# Altium PCB REB215_XPRO_Extension.PcbDoc (part 1 of 5) (continued)
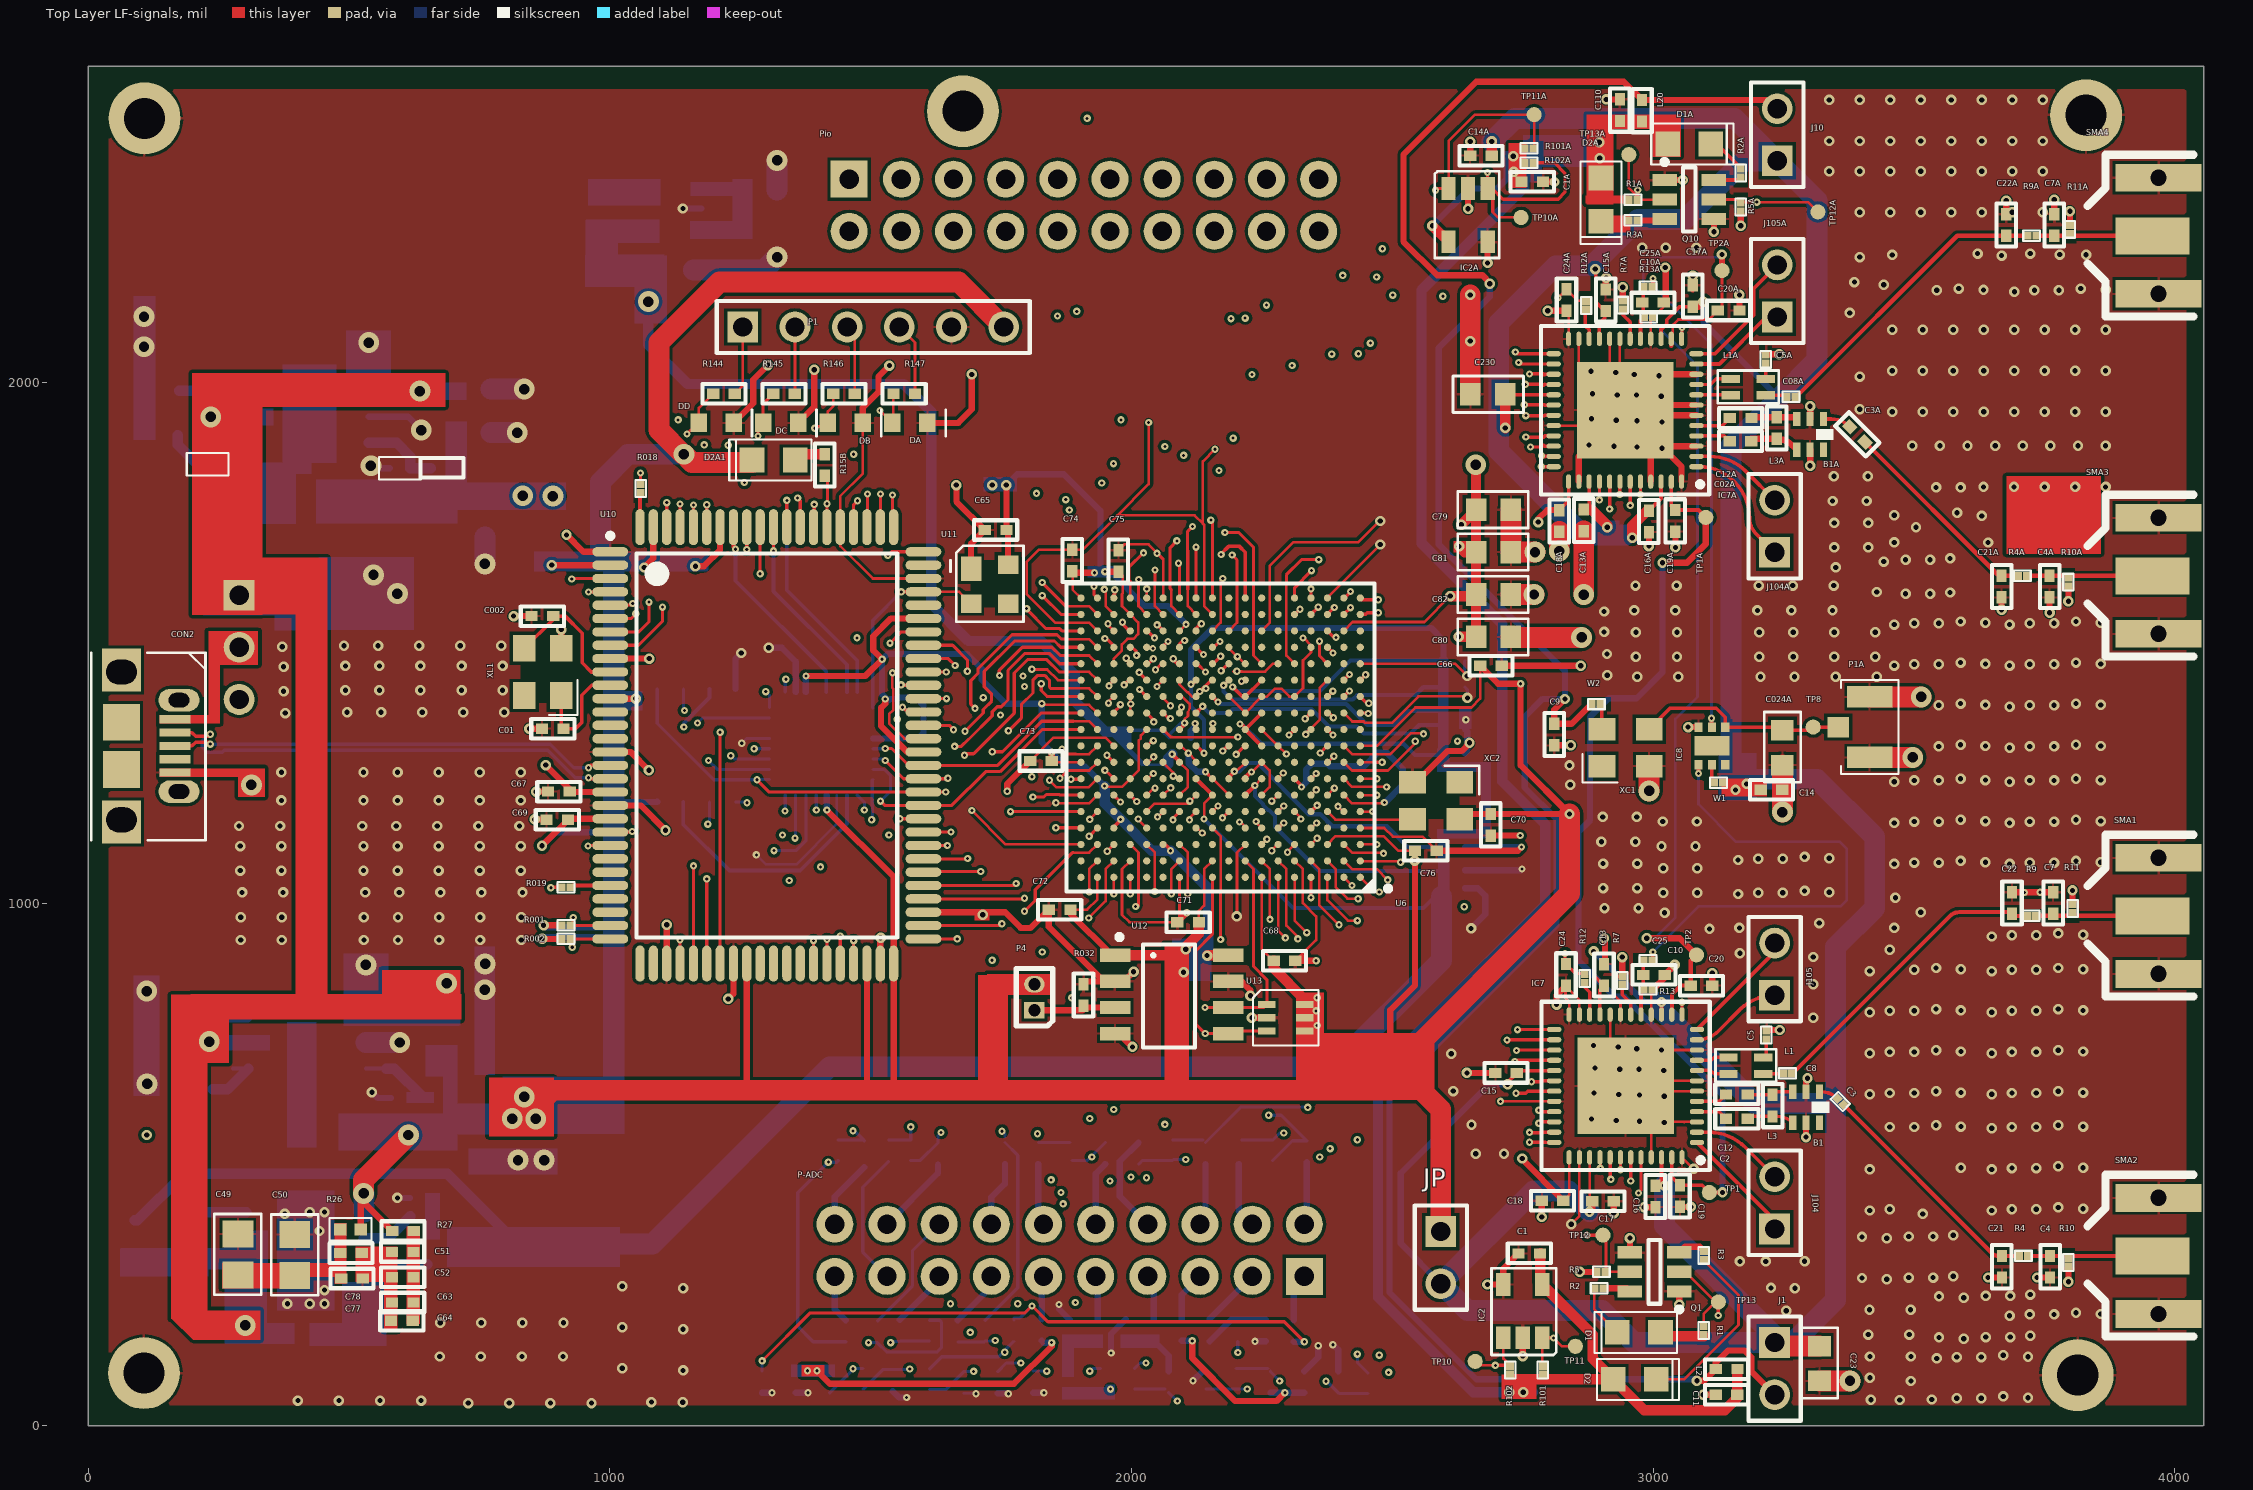
[diagram p0: Top Layer LF-signals view]
## Components (designator, comment, footprint, x,y, rotation, side; value= is the part's Value field where it differs from the comment) (continued)
C64 "Recommended by Escatec. No datasheet available yet." 0402#1 622,201 r270 top
C65 "Recommended by Escatec. No datasheet available yet." 0402#1 1760.34,1716.79 r270 top
C66 "Recommended by Escatec. No datasheet available yet." 0402#1 2668.5,1456.5 r90 top
C67 "Recommended by Escatec. No datasheet available yet." 0402#1 923,1215.4 r270 top
C68 "Recommended by Escatec. No datasheet available yet." 0402#1 2272.66,891 r90 top
C69 "Recommended by Escatec. No datasheet available yet." 0402#1 920,1161.63 r270 top
C70 "Recommended by Escatec. No datasheet available yet." 0402#1 2689,1172.34 r0 top
C71 "Recommended by Escatec. No datasheet available yet." 0402#1 2129.34,965 r270 top
C72 "Recommended by Escatec. No datasheet available yet." 0402#1 1883,989 r270 top
C73 "Recommended by Escatec. No datasheet available yet." 0402#1 1847.34,1274 r270 top
C74 "Recommended by Escatec. No datasheet available yet." 0402#1 1886.73,1637.66 r180 top
C75 "Recommended by Escatec. No datasheet available yet." 0402#1 1975,1636.66 r180 top
C76 "Recommended by Escatec. No datasheet available yet." 0402#1 2543.66,1102.09 r90 top
C77 "Recommended by Escatec. No datasheet available yet." 0402#1 484.88,281.99 r90 top
C78 "Recommended by Escatec. No datasheet available yet." 0402#1 483.33,330.73 r90 top
C79 "Recommended by Escatec. No datasheet available yet." "0603 - cap" 2694,1755.63 r0 top
C80 "Recommended by Escatec. No datasheet available yet." "0603 - cap" 2694,1512 r0 top
C81 "Recommended by Escatec. No datasheet available yet." "0603 - cap" 2694,1674.42 r0 top
C82 "Recommended by Escatec. No datasheet available yet." "0603 - cap" 2694,1593.21 r0 top
C85 "CAP-NONPOL" 0402-res#1 1612.64,88.6 r270 bottom
C86 "CAP-NONPOL" 0402-res#1 2453,81 r270 bottom
C87 "CAP-NONPOL" 0402-res#1 2200.49,89.6 r270 bottom
C88 "CAP-NONPOL" 0402-res#1 2005.53,89.6 r90 bottom
C89 "CAP-NONPOL" 0402-res#1 1940.55,89.6 r90 bottom
C90 "CAP-NONPOL" 0402-res#1 1485.65,89.6 r270 bottom
C91 "" 0402-res#1 2270.95,527.84 r90 bottom
C92 "" 0402-res#1 2078.75,527.84 r270 bottom
C93 "" 0402-res#1 1886.55,527.84 r90 bottom
C94 "" 0402-res#1 1719.84,182.12 r90 bottom
C95 "" 0402-res#1 1612.51,182.12 r90 bottom
C96 "" 0402-res#1 1577,528 r270 bottom
C97 "" 0402-res#1 1438.1,527.84 r90 bottom
C110 "CAP-NONPOL" 0402#1 2936.35,2542.28 r0 top
C230 "CAP-NONPOL" "0603 - cap" 2683,1977 r180 top
CON2 "MICROUSB" MICRO-USB-B-RECEPTABLE 119,1303 r270 top locked
D1 "LED_12" "0805 diode" 2972.77,178.67 r0 top locked
D001 "D Schottky" "0805 diode" 423.21,1548.61 r180 bottom locked
D1A "LED_12" "0805 diode" 3069.32,2456.67 r180 top locked
D2 "LED_12" "0805 diode" 2964.96,88.63 r180 top locked
D2A "LED_12" "0805 diode" 2900.03,2350.37 r90 top locked
D2A1 "LED0" "0805 diode" 1314,1851 r0 top
DA "D Schottky" "0603 LED"#2 1608.69,1922.18 r180 top
DB "D Schottky" "0603 LED"#2 1484.99,1922.18 r180 top
DC "D Schottky" "0603 LED"#2 1361.3,1922.18 r180 top
DD "D Schottky" "0603 LED"#2 1237.6,1922.18 r180 top
IC2 "AT24MAC602" SOT23-5 2750.13,219.28 r0 top locked
IC2A "AT24MAC602" SOT23-5 2645.26,2320.34 r180 top locked
IC7 "48 lead QFN package" "48 pin QFN, 7x7 mm" 2947.24,651.01 r180 top locked
IC7A "48 lead QFN package" "48 pin QFN, 7x7 mm" 2946.24,1946.47 r180 top locked
IC8 "PL133-27" uDFN-6 3112.63,1303 r180 top locked
J1 "HEADER 1x2" HDR1X2 3233,159.3 r270 top locked
J10 "HEADER 1x2" HDR1X2 3238,2424.5 r90 top locked
J104 "HEADER 1x2" HDR1X2 3233,377 r90 top locked
J104A "HEADER 1x2" HDR1X2 3233,1674 r90 top locked
J105 "HEADER 1x2" HDR1X2 3233,825 r90 top locked
J105A "HEADER 1x2" HDR1X2 3238,2125 r90 top locked
JP "HEADER 1x2" HDR1X2 2593,372 r270 top
JP1 "Header 3" HDR1X3 289.35,1591.92 r270 bottom locked
L1 "Common Mode Choke 0805" "DR127 Series Inductor" 3178,690 r180 top locked
L1A "Common Mode Choke 0805" "DR127 Series Inductor" 3182.48,1990.78 r180 top locked
L2 "Inductor_Iron" 0402#1 3120.29,108.32 r90 top
L3 "ceramic chip inductor, 5.6nH, 0201" 0402#1 3229,634 r0 top
L3A "ceramic chip inductor, 5.6nH, 0201" 0402#1 3237,1933 r0 top
L4 "" 1210-RES 461,570 r0 bottom locked
L5 "" 1210-RES 417,1770.4 r0 bottom locked
L7 "" "0805 - CAP" 89,354 r270 bottom locked
L8 "" "0805 - CAP" 982.95,2325.29 r90 bottom locked
L20 "Inductor_Iron" 0402#1 2978.67,2541.3 r0 top
P1 "HDR14" HDR1X6 1255,2106 r0 top
P1A "Copy of A08-0629" AP8-00380 3415.16,1338.94 r270 top locked
P4 "2PHDR" "PIN HEADER 1X2 PIN IN PASTE" 1814,796 r90 top
P-ADC "Header 10X2H" "2x5 Receptacle THM" 1881.41,336 r0 top locked
Pio "GPIO Header" "2x5 Receptacle THM" 1908.95,2339.4 r180 top locked
Q1 "Same as 2N7002 but with two MOSFETs in one package" "SOT23-6 - duplicate" 3002.73,294.59 r180 top locked
Q10 "Same as 2N7002 but with two MOSFETs in one package" "SOT23-6 - duplicate" 3069.32,2350.37 r0 top locked
R1 "R2" 0201 3097,182 r270 top locked
R001 "R2" 0201 916,959 r180 top locked
R1A "R2" 0201 2961.25,2349.72 r180 top locked
R2 "R2" 0201 2896.43,263.1 r180 top locked
R002 "R2" 0201 916,933 r180 top locked
R2A "R2" 0201 3168,2401.35 r90 top locked
R3 "R2" 0201 3097.22,326.09 r270 top locked
R3A "R2" 0201 2961.25,2310.35 r180 top locked
R4 "Copy of A02-0534" 0201 3710,325.17 r0 top locked
R4A "Copy of A02-0534" 0201 3708,1629 r0 top locked
R5 "R2" 0201 2900.37,294.59 r180 top locked
R5A "R2" 0201 3168,2335.97 r270 top locked
R7 "R2" 0201 2941,853.72 r90 top locked
R7A "R2" 0201 2942,2148 r90 top
R9 "Copy of A02-0534" 0201 3725,977.06 r0 top locked
R9A "Copy of A02-0534" 0201 3726,2281 r0 top locked
R10 "Copy of A02-0535" 0201 3796.17,313 r90 top locked
R10A "Copy of A02-0535" 0201 3796.17,1617 r90 top locked
R11 "Copy of A02-0535" 0201 3804,991 r270 top locked
R11A "Copy of A02-0535" 0201 3799,2293 r270 top locked
R12 "R2" 0201 2869,857 r270 top locked
R12A "R2" 0201 2871.44,2146.83 r270 top locked
R13 "Copy of A02-0535" 0201 2990.16,836 r180 top
R13A "Copy of A02-0535" 0201 2991.35,2125 r180 top
R14 "" 0402#1 197.01,645 r270 bottom
R015 "" 0402#1 651,628.01 r270 bottom
R15B "Res1" 0402#1 1412.25,1862 r0 top
R16 "" 0402#1 580.01,628.01 r270 bottom
R17 "" 0402-res#2 229,1843 r180 bottom locked
R018 "R2" 0201 1059,1796.65 r90 top
R18 "" 0402#1 657.8,1836.5 r270 bottom
R019 "R2" 0201 916,1031.91 r180 top locked
R19 "" 0402-res#2 597.8,1835.41 r180 bottom locked
R23 "" 0402#1 658.83,401 r90 bottom
R24 "" 0402#1 701,368 r90 bottom
R25 "" 0402#1 658.34,436.39 r90 bottom
R26 "" 0402-res#1 503,376 r180 top
R27 "" 0402#1 582.66,373 r90 top
R032 "R2" 0402#1 1908,805 r180 top
R40 "Res1" 0402#1 1774.48,161.45 r0 bottom
R41 "Res1" 0402#1 2203.77,161.45 r0 bottom
R42 "Res1" 0402#2 2266.46,104.36 r0 bottom
R43 "Res1" 0402#2 2071.5,63.03 r180 bottom
R44 "Res1" 0402#2 1876.55,63.03 r180 bottom
R45 "Res1" 0402#2 1421.65,63.03 r180 bottom
R46 "Res1" 0402#1 1678.61,103.36 r180 bottom
R47 "Res1" 0402#2 2396.43,63.03 r180 bottom
R48 "Res1" 0402#2 2136.49,63.03 r180 bottom
R49 "Res1" 0402#2 1743.59,103.36 r0 bottom
R50 "Res1" 0402#2 1811.56,104.36 r0 bottom
R51 "Res1" 0402#2 1542.43,107.34 r0 bottom
R53 "Res1" 0402#2 1356.67,63.03 r180 bottom
R54 "Res1" 0402#2 1881.8,202.79 r0 bottom
R55 "Res1" 0402#2 1989.13,203.77 r0 bottom
R56 "Res1" 0402#2 2331.44,104.36 r0 bottom
R57 "Res1" 0402#2 2257.44,161.45 r180 bottom
R58 "Res1" 0402#2 1291.68,63.03 r180 bottom
R60 "Res1" 0402#1 1828.14,162.43 r0 bottom
R61 "Res1" 0402#1 1935.47,162.43 r0 bottom
R62 "Res1" 0402#1 2042.79,162.43 r0 bottom
R63 "Res1" 0402#1 2096.45,162.43 r0 bottom
R64 "Res1" 0402#1 2150.11,161.45 r0 bottom
R65 "Res1" 0402#1 2311.1,160.47 r0 bottom
R66 "" 0402#2 2336,504.66 r180 bottom
R67 "" 0402#2 2205.9,501.27 r180 bottom
R68 "" 0402#2 2141.83,501.27 r180 bottom
R69 "" 0402#2 2013.7,542.61 r0 bottom
R70 "" 0402#2 1949.64,501.27 r180 bottom
R71 "" 0402#2 1821.5,501.27 r180 bottom
R72 "Res1" 0402#2 1667.16,201.81 r0 bottom
R73 "Res1" 0402#2 1757.44,501.27 r180 bottom
R74 "Res1" 0402#2 1556,202.79 r0 bottom
R75 "Res1" 0402#2 1513,200.34 r0 bottom
R76 "Res1" 0402#2 1534,506 r180 bottom
R77 "Res1" 0402#2 1629,500.66 r180 bottom
R78 "Res1" 0402#2 1452.51,201.81 r0 bottom
R79 "Res1" 0402#2 1488,504.66 r180 bottom
R101 "R2" 0201 2788.7,106.02 r270 top locked
R101A "R2" 0201 2761.83,2448.37 r180 top locked
R102 "R2" 0201 2726,106.02 r270 top locked
R102A "R2" 0201 2761.83,2420.7 r180 top locked
R144 "" 0402#1 1198,1978 r90 top
R145 "" 0402#1 1313.22,1978 r90 top
R146 "" 0402#1 1428.44,1978 r90 top
R147 "" 0402#1 1543.66,1978 r90 top
SMA1 "Board Edge Mounting" SMA 3957,977.06 r180 top locked
SMA2 "Board Edge Mounting" SMA 3957,325.17 r180 top locked
SMA3 "Board Edge Mounting" SMA 3957,1628.95 r180 top locked
SMA4 "Board Edge Mounting" SMA 3957,2280.84 r180 top locked
TP1 "TESTPOINT" "Testpad 29 mil" 3107.66,446.94 r90 top locked
TP1A "TESTPOINT" "Testpad 29 mil" 3101,1741 r0 top locked
TP2 "TESTPOINT" "Testpad 29 mil" 3083.07,902.4 r90 top locked
TP2A "TESTPOINT" "Testpad 29 mil" 3132,2214 r90 top locked
TP8 "Mounting hole dia should be 1.6mm. Refer A08-2059" "Testpad 29 mil" 3306.9,1338.94 r0 top locked
TP9 "Mounting hole dia should be 1.6mm. Refer A08-2059" "Testpad 29 mil" 549.2,1548.61 r90 bottom locked
TP10 "TESTPOINT" "Testpad 29 mil" 2659,123 r270 top
TP10A "TESTPOINT" "Testpad 29 mil" 2747,2316 r180 top
TP11 "TESTPOINT" "Testpad 29 mil" 2851,152 r270 top
TP11A "TESTPOINT" "Testpad 29 mil" 2772,2513 r180 top
TP12 "TESTPOINT" "Testpad 29 mil" 2904,365 r90 top locked
TP12A "TESTPOINT" "Testpad 29 mil" 3315.8,2326.62 r90 top locked
TP13 "TESTPOINT" "Testpad 29 mil" 3125,237 r90 top locked
TP13A "TESTPOINT" "Testpad 29 mil" 2953.37,2436.33 r90 top locked
U1 "AOZ1050PI" "so8exposed pad" 419.54,759.4 r270 bottom locked
U3 "AOZ1050PI" "so8exposed pad" 425.06,1958.78 r270 bottom locked
U5 "REG" "so8exposed pad" 415.67,334.18 r90 bottom locked
U06 "IC REG" SOT23-5 1124.68,2333.16 r270 bottom locked
U6 "XC7A35T-2CSG324I" CSG324 2170.92,1318.77 r180 top locked
U8 "CPLD" QFN32_5X5MM_EP3P3MM 1405.35,1307.31 r270 bottom locked
U9 "FLASH" SO8 1091,1412 r270 bottom locked
U10 "CY7C68014A-100AXC" 100qfp 1301,1304 r0 top locked
U11 "STM811" SOT143 1728,1613 r270 top
U12 "128K I 2 C ™ CMOS Serial EEPROM" SO8 1968.83,901.45 r0 top locked
U13 "24AA025E48" sot23-6 2295.95,781.77 r0 top locked
W1 "Jumper" 0201 3125.46,1232.64 r0 top locked
W2 "Jumper" 0201 2890.79,1383.17 r180 top locked
XC1 "TXETCCSANF-26.0000" CRYS 2947.15,1299.57 r0 top
XC2 "TXETCCSANF-26.0000" CRYS 2584,1198 r180 top
XL1 "" CRYS 871.44,1444.71 r90 top locked

## Footprints (in the part's own frame and the unit in brackets; to place one, negate y for a bottom-side part, rotate by r counter-clockwise, add the part's x,y. Pads: shape width x height; smd on the part's side, far side on the other; paste and mask are expansions set on the pad)
"2x5 Receptacle THM" [mm] "2x5 Receptacle THM, Right Angle. No Guide. 2.54mm pitch. Length 13.2mm, width 5.0mm, height 5mm"
  rect 1.8x1.8 hole 0.94: 1(11.43,-1.27)
  round 1.8 hole 0.94: 2(11.43,1.27) 3(8.89,-1.27) 4(8.89,1.27) 5(6.35,-1.27) 6(6.35,1.27) 7(3.81,-1.27) 8(3.81,1.27) 9(1.27,-1.27) 10(1.27,1.27) 11(-1.27,-1.27) 12(-1.27,1.27) 13(-3.81,-1.27) 14(-3.81,1.27) 15(-6.35,-1.27) 16(-6.35,1.27) 17(-8.89,-1.27) 18(-8.89,1.27) 19(-11.43,-1.27) 20(-11.43,1.27)
  rect 2.1x2.1 on Top Paste: 19(-11.43,-1.27) 19(-11.43,1.27) 19(-8.89,-1.27) 19(-8.89,1.27) 19(-6.35,-1.27) 19(-6.35,1.27) 19(-3.81,-1.27) 19(-3.81,1.27) 19(-1.27,-1.27) 19(-1.27,1.27) 19(1.27,-1.27) 19(1.27,1.27) 19(3.81,-1.27) 19(3.81,1.27) 19(6.35,-1.27) 19(6.35,1.27) 19(8.89,-1.27) 19(8.89,1.27) 19(11.43,-1.27) 19(11.43,1.27)
"48 pin QFN, 7x7 mm" [mm] "48 pin QFN, 7x7 mm"
  oval 0.7x0.25 smd: 1(-3.475,2.75) 2(-3.475,2.25) 3(-3.475,1.75) 4(-3.475,1.25) 5(-3.475,0.75) 6(-3.475,0.25) 7(-3.475,-0.25) 8(-3.475,-0.75) 9(-3.475,-1.25) 10(-3.475,-1.75) 11(-3.475,-2.25) 12(-3.475,-2.75) 25(3.475,-2.75) 26(3.475,-2.25) 27(3.475,-1.75) 28(3.475,-1.25) 29(3.475,-0.75) 30(3.475,-0.25) 31(3.475,0.25) 32(3.475,0.75) 33(3.475,1.25) 34(3.475,1.75) 35(3.475,2.25) 36(3.475,2.75)
  rect 4.7x1.4 on Top Solder: 4.8(0,-1) 14(0,1)
  rrect50% 1.65x1.65 on Top Paste: 10(-1,1) 11(-1,-1) 12(1.025,-0.975) 13(1,1)
  oval 0.25x0.7 smd: 13(-2.75,-3.475) 14(-2.25,-3.475) 15(-1.75,-3.475) 16(-1.25,-3.475) 17(-0.75,-3.475) 18(-0.25,-3.475) 19(0.25,-3.475) 20(0.75,-3.475) 21(1.25,-3.475) 22(1.75,-3.475) 23(2.25,-3.475) 24(2.75,-3.475) 37(2.75,3.475) 38(2.25,3.475) 39(1.75,3.475) 40(1.25,3.475) 41(0.75,3.475) 42(0.25,3.475) 43(-0.25,3.475) 44(-0.75,3.475) 45(-1.25,3.475) 46(-1.75,3.475) 47(-2.25,3.475) 48(-2.75,3.475)
  rect 1.4x4.7 on Top Solder: 16(-1,0) 17(1,0)
  rect 4.7x4.7 smd paste-5.2 mask-5.2: 49(0,0)
  silkscreen extent -4.1,-4.1 4.1,4.1, body extent -3.5,-3.5 3.5,3.5, height 0.91
100qfp [mm] "100-Pin Thin Plastic Quad Flat Pack Rectangular 0.65 mm Pitch, IPC Medium Density"
  oval 1.75x0.45 smd: 1(-7.625,9.425) 2(-7.625,8.775) 3(-7.625,8.125) 4(-7.625,7.475) 5(-7.625,6.825) 6(-7.625,6.175) 7(-7.625,5.525) 8(-7.625,4.875) 9(-7.625,4.225) 10(-7.625,3.575) 11(-7.625,2.925) 12(-7.625,2.275) 13(-7.625,1.625) 14(-7.625,0.975) 15(-7.625,0.325) 16(-7.625,-0.325) 17(-7.625,-0.975) 18(-7.625,-1.625) 19(-7.625,-2.275) 20(-7.625,-2.925) 21(-7.625,-3.575) 22(-7.625,-4.225) 23(-7.625,-4.875) 24(-7.625,-5.525) 25(-7.625,-6.175) 26(-7.625,-6.825) 27(-7.625,-7.475) 28(-7.625,-8.125) 29(-7.625,-8.775) 30(-7.625,-9.425) 51(7.625,-9.425) 52(7.625,-8.775) 53(7.625,-8.125) 54(7.625,-7.475) 55(7.625,-6.825) 56(7.625,-6.175) 57(7.625,-5.525) 58(7.625,-4.875) 59(7.625,-4.225) 60(7.625,-3.575) 61(7.625,-2.925) 62(7.625,-2.275) 63(7.625,-1.625) 64(7.625,-0.975) 65(7.625,-0.325) 66(7.625,0.325) 67(7.625,0.975) 68(7.625,1.625) 69(7.625,2.275) 70(7.625,2.925) 71(7.625,3.575) 72(7.625,4.225) 73(7.625,4.875) 74(7.625,5.525) 75(7.625,6.175) 76(7.625,6.825) 77(7.625,7.475) 78(7.625,8.125) 79(7.625,8.775) 80(7.625,9.425)
  oval 0.45x1.75 smd: 31(-6.175,-10.625) 32(-5.525,-10.625) 33(-4.875,-10.625) 34(-4.225,-10.625) 35(-3.575,-10.625) 36(-2.925,-10.625) 37(-2.275,-10.625) 38(-1.625,-10.625) 39(-0.975,-10.625) 40(-0.325,-10.625) 41(0.325,-10.625) 42(0.975,-10.625) 43(1.625,-10.625) 44(2.275,-10.625) 45(2.925,-10.625) 46(3.575,-10.625) 47(4.225,-10.625) 48(4.875,-10.625) 49(5.525,-10.625) 50(6.175,-10.625) 81(6.175,10.625) 82(5.525,10.625) 83(4.875,10.625) 84(4.225,10.625) 85(3.575,10.625) 86(2.925,10.625) 87(2.275,10.625) 88(1.625,10.625) 89(0.975,10.625) 90(0.325,10.625) 91(-0.325,10.625) 92(-0.975,10.625) 93(-1.625,10.625) 94(-2.275,10.625) 95(-2.925,10.625) 96(-3.575,10.625) 97(-4.225,10.625) 98(-4.875,10.625) 99(-5.525,10.625) 100(-6.175,10.625)
  silkscreen extent -7.75,-9.35 6.35,10.32, body extent -7,-10 7,10, height 1.6
0201 [mil] "0201_SMD"
  rect 17x15.09 smd paste+0 mask+2.49: 1(-9.35,0) 2(9.35,0)
  silkscreen extent -16,-10 16,10, body extent -12,-6 12,6, height 12
0402#1 [mm] "Generic pad 0402, spacing 0.45mm"
  rect 0.5x0.6 smd: 1(0,0) 2(0,-1.05)
  silkscreen extent -0.48,-1.58 0.48,0.53, body extent -0.3,-1.02 0.3,-0.03, height 0.2
0402#2 [mm] "Generic pad 0402, spacing 0.45mm"
  rect 0.5x0.6 smd: 1(0,0) 2(0,1.05)
  silkscreen extent -0.48,-0.53 0.48,1.58, body extent -0.3,0.02 0.3,1.02
0402-res#1 [mm] "Standard 0402 SMD capacitor footprint"
  rect 0.6x0.6 smd: 1(-0.5,0) 2(0.5,0)
  silkscreen extent -1.02,-0.55 1.02,0.55, body extent -0.5,-0.3 0.5,0.3
0402-res#2 [mm] "Standard 0402 SMD capacitor footprint"
  rect 0.6x0.6 smd: 1(0.5,0) 2(-0.5,0)
  body extent -0.5,-0.3 0.5,0.3, height 0.2
"0603 - cap" [mm] "CAPC0603M"
  rect 1x1.1 smd mask+0.051: 1(-0.85,0) 2(0.85,0)
  silkscreen extent -1.74,-0.89 1.69,0.89, body extent -0.8,-0.4 0.8,0.4, height 0.3
"0603 LED"#1 [mm] "0603"
  rect 1x1.1 smd mask+0.051: 1(0,0) 2(1.7,0)
  silkscreen extent -0.89,-0.63 -0.89,0.66, body extent 0.02,-0.39 1.62,0.39, height 0.7
"0603 LED"#2 [mm] "0603"
  rect 0.8x0.9 smd mask+0.051: 1(0,0) 2(1.7,0)
  silkscreen extent -0.89,-0.64 -0.89,0.66, body extent 0.02,-0.39 1.62,0.39, height 0.7
"0805 6pin Balun, narrow variant" [mm] "0805 6pin Balun, narrow variant"
  rect 0.7x0.35 smd: 1(-0.75,0.65) 2(-0.75,0) 3(-0.75,-0.65) 4(0.75,-0.65) 5(0.75,0) 6(0.75,0.65)
  silkscreen extent -0.27,0.28 0.28,1.15, body extent -0.65,-0.95 0.6,1, height 0.85
"0805 - CAP" [mm] "CAPC2012N"
  rect 1.3x1.5 smd: 1(1,0) 2(-1,0)
  silkscreen extent -1.97,-1.14 1.97,1.14, body extent -1,-0.62 1,0.63, height 0.78
"0805 diode" [mm] "0805 diode footprint"
  rect 1.2x1.2 smd: 1(-1.05,0) 2(1.05,0)
  silkscreen extent -2.16,-1 1.85,1, body extent -1,-0.63 1,0.63, height 1.1
1206-res [mm] "Chip Capacitor, Body 3.2x1.6mm, IPC High Density"
  rect 1.6x1.8 smd: 1(-1.4,0) 2(1.4,0)
  silkscreen extent -0.38,-0.89 0.25,0.89, body extent -1.55,-0.77 1.55,0.78, height 0.55
1210-RES [mm]
  rect 1.8x2.2 smd: 1(-1.4,0) 2(1.4,0)
  silkscreen extent -2.59,-1.37 2.64,1.4, body extent -2.41,-1.14 2.49,1.26, height 0.55
AP8-00380 [mm]
  rect 1x1.05 smd: 1(0,-1.525)
  rect 1.05x2.2 smd: 2(-1.475,0) 3(1.475,0)
  silkscreen extent -2.29,-1.4 2.29,1.4, body extent -1.48,-1.55 1.52,1.55, height 1.23
CRYS [mm] "Geyer KX-7 Crystal 3.2X2"
  rect 1.3x1.1 smd: 1(-1.15,-0.9) 2(1.15,-0.9) 3(1.15,0.9) 4(-1.15,0.9)
  silkscreen extent -2.1,-1.7 -0.4,-0.3, body extent -1.61,-1.25 1.61,1.25, height 0.82
CSG324 [mm] "BGA, 324-Balls, Body 15x15mm, Pitch 0.8mm"
  round 0.35 smd: A1(-6.8,6.8) A2(-6,6.8) A3(-5.2,6.8) A4(-4.4,6.8) A5(-3.6,6.8) A6(-2.8,6.8) A7(-2,6.8) A8(-1.2,6.8) A9(-0.4,6.8) A10(0.4,6.8) A11(1.2,6.8) A12(2,6.8) A13(2.8,6.8) A14(3.6,6.8) A15(4.4,6.8) A16(5.2,6.8) A17(6,6.8) A18(6.8,6.8) B1(-6.8,6) B2(-6,6) B3(-5.2,6) B4(-4.4,6) B5(-3.6,6) B6(-2.8,6) B7(-2,6) B8(-1.2,6) B9(-0.4,6) B10(0.4,6) B11(1.2,6) B12(2,6) B13(2.8,6) B14(3.6,6) B15(4.4,6) B16(5.2,6) B17(6,6) B18(6.8,6) C1(-6.8,5.2) C2(-6,5.2) C3(-5.2,5.2) C4(-4.4,5.2) C5(-3.6,5.2) C6(-2.8,5.2) C7(-2,5.2) C8(-1.2,5.2) C9(-0.4,5.2) C10(0.4,5.2) C11(1.2,5.2) C12(2,5.2) C13(2.8,5.2) C14(3.6,5.2) C15(4.4,5.2) C16(5.2,5.2) C17(6,5.2) C18(6.8,5.2) D1(-6.8,4.4) D2(-6,4.4) D3(-5.2,4.4) D4(-4.4,4.4) D5(-3.6,4.4) D6(-2.8,4.4) D7(-2,4.4) D8(-1.2,4.4) D9(-0.4,4.4) D10(0.4,4.4) D11(1.2,4.4) D12(2,4.4) D13(2.8,4.4) D14(3.6,4.4) D15(4.4,4.4) D16(5.2,4.4) D17(6,4.4) D18(6.8,4.4) E1(-6.8,3.6) E2(-6,3.6) E3(-5.2,3.6) E4(-4.4,3.6) E5(-3.6,3.6) E6(-2.8,3.6) E7(-2,3.6) E8(-1.2,3.6) E9(-0.4,3.6) E10(0.4,3.6) E11(1.2,3.6) E12(2,3.6) E13(2.8,3.6) E14(3.6,3.6) E15(4.4,3.6) E16(5.2,3.6) E17(6,3.6) E18(6.8,3.6) F1(-6.8,2.8) F2(-6,2.8) F3(-5.2,2.8) F4(-4.4,2.8) F5(-3.6,2.8) F6(-2.8,2.8) F7(-2,2.8) F8(-1.2,2.8) F9(-0.4,2.8) F10(0.4,2.8) F11(1.2,2.8) F12(2,2.8) F13(2.8,2.8) F14(3.6,2.8) F15(4.4,2.8) F16(5.2,2.8) F17(6,2.8) F18(6.8,2.8) G1(-6.8,2) G2(-6,2) G3(-5.2,2) G4(-4.4,2) G5(-3.6,2) G6(-2.8,2) G7(-2,2) G8(-1.2,2) G9(-0.4,2) G10(0.4,2) G11(1.2,2) G12(2,2) G13(2.8,2) G14(3.6,2) G15(4.4,2) G16(5.2,2) G17(6,2) G18(6.8,2) H1(-6.8,1.2) H2(-6,1.2) H3(-5.2,1.2) H4(-4.4,1.2) H5(-3.6,1.2) H6(-2.8,1.2) H7(-2,1.2) H8(-1.2,1.2) H9(-0.4,1.2) H10(0.4,1.2) H11(1.2,1.2) H12(2,1.2) H13(2.8,1.2) H14(3.6,1.2) H15(4.4,1.2) H16(5.2,1.2) H17(6,1.2) H18(6.8,1.2) J1(-6.8,0.4) J2(-6,0.4) J3(-5.2,0.4) J4(-4.4,0.4) J5(-3.6,0.4) J6(-2.8,0.4) J7(-2,0.4) J8(-1.2,0.4) J9(-0.4,0.4) J10(0.4,0.4) J11(1.2,0.4) J12(2,0.4) J13(2.8,0.4) J14(3.6,0.4) J15(4.4,0.4) J16(5.2,0.4) J17(6,0.4) J18(6.8,0.4) K1(-6.8,-0.4) K2(-6,-0.4) K3(-5.2,-0.4) K4(-4.4,-0.4) K5(-3.6,-0.4) K6(-2.8,-0.4) K7(-2,-0.4) K8(-1.2,-0.4) K9(-0.4,-0.4) K10(0.4,-0.4) K11(1.2,-0.4) K12(2,-0.4) K13(2.8,-0.4) K14(3.6,-0.4) K15(4.4,-0.4) K16(5.2,-0.4) K17(6,-0.4) K18(6.8,-0.4) L1(-6.8,-1.2) L2(-6,-1.2) L3(-5.2,-1.2) L4(-4.4,-1.2) L5(-3.6,-1.2) L6(-2.8,-1.2) L7(-2,-1.2) L8(-1.2,-1.2) L9(-0.4,-1.2) L10(0.4,-1.2) L11(1.2,-1.2) L12(2,-1.2) L13(2.8,-1.2) L14(3.6,-1.2) L15(4.4,-1.2) L16(5.2,-1.2) L17(6,-1.2) L18(6.8,-1.2) M1(-6.8,-2) M2(-6,-2) M3(-5.2,-2) M4(-4.4,-2) M5(-3.6,-2) M6(-2.8,-2) M7(-2,-2) M8(-1.2,-2) M9(-0.4,-2) M10(0.4,-2) M11(1.2,-2) M12(2,-2) M13(2.8,-2) M14(3.6,-2) M15(4.4,-2) M16(5.2,-2) M17(6,-2) M18(6.8,-2) N1(-6.8,-2.8) N2(-6,-2.8) N3(-5.2,-2.8) N4(-4.4,-2.8) N5(-3.6,-2.8) N6(-2.8,-2.8) N7(-2,-2.8) N8(-1.2,-2.8) N9(-0.4,-2.8) N10(0.4,-2.8) N11(1.2,-2.8) N12(2,-2.8) N13(2.8,-2.8) N14(3.6,-2.8) N15(4.4,-2.8) N16(5.2,-2.8) N17(6,-2.8) N18(6.8,-2.8) P1(-6.8,-3.6) P2(-6,-3.6) P3(-5.2,-3.6) P4(-4.4,-3.6) P5(-3.6,-3.6) P6(-2.8,-3.6) P7(-2,-3.6) P8(-1.2,-3.6) P9(-0.4,-3.6) P10(0.4,-3.6) P11(1.2,-3.6) P12(2,-3.6) P13(2.8,-3.6) P14(3.6,-3.6) P15(4.4,-3.6) P16(5.2,-3.6) P17(6,-3.6) P18(6.8,-3.6) R1(-6.8,-4.4) R2(-6,-4.4) R3(-5.2,-4.4) R4(-4.4,-4.4) R5(-3.6,-4.4) R6(-2.8,-4.4) R7(-2,-4.4) R8(-1.2,-4.4) R9(-0.4,-4.4) R10(0.4,-4.4) R11(1.2,-4.4) R12(2,-4.4) R13(2.8,-4.4) R14(3.6,-4.4) R15(4.4,-4.4) R16(5.2,-4.4) R17(6,-4.4) R18(6.8,-4.4) T1(-6.8,-5.2) T2(-6,-5.2) T3(-5.2,-5.2) T4(-4.4,-5.2) T5(-3.6,-5.2) T6(-2.8,-5.2) T7(-2,-5.2) T8(-1.2,-5.2) T9(-0.4,-5.2) T10(0.4,-5.2) T11(1.2,-5.2) T12(2,-5.2) T13(2.8,-5.2) T14(3.6,-5.2) T15(4.4,-5.2) T16(5.2,-5.2) T17(6,-5.2) T18(6.8,-5.2) U1(-6.8,-6) U2(-6,-6) U3(-5.2,-6) U4(-4.4,-6) U5(-3.6,-6) U6(-2.8,-6) U7(-2,-6) U8(-1.2,-6) U9(-0.4,-6) U10(0.4,-6) U11(1.2,-6) U12(2,-6) U13(2.8,-6) U14(3.6,-6) U15(4.4,-6) U16(5.2,-6) U17(6,-6) U18(6.8,-6) V1(-6.8,-6.8) V2(-6,-6.8) V3(-5.2,-6.8) V4(-4.4,-6.8) V5(-3.6,-6.8) V6(-2.8,-6.8) V7(-2,-6.8) V8(-1.2,-6.8) V9(-0.4,-6.8) V10(0.4,-6.8) V11(1.2,-6.8) V12(2,-6.8) V13(2.8,-6.8) V14(3.6,-6.8) V15(4.4,-6.8) V16(5.2,-6.8) V17(6,-6.8) V18(6.8,-6.8)
  silkscreen extent -8.27,-7.5 7.5,7.5, body extent -7.5,-7.5 7.5,7.5, height 1.5
"DR127 Series Inductor" [mm] "DR127 Series Inductor"
  rect 0.9x0.4 smd: 1(0.85,0.4) 2(-0.85,0.4) 3(-0.85,-0.4) 4(0.85,-0.4)
  silkscreen extent -1.48,-0.81 1.49,0.79, body extent -1.01,-0.64 1.01,0.65, height 1.64
HDR1X2 [mm] "Connector; Header; 2 Position"
  rect 1.5x1.5 hole 0.94: 1(0,0)
  round 1.5 hole 0.94: 2(2.54,0)
  silkscreen extent -1.27,-1.27 3.81,1.27
HDR1X3 [mm] "Connector; Header; 3 Position"
  rect 1.5x1.5 hole 0.94: 1(0,0)
  round 1.5 hole 0.94: 2(2.54,0) 3(5.08,0)
  silkscreen extent -1.27,-1.27 6.35,1.27
HDR1X6 [mm] "Connector; Header; 6 Position"
  rect 1.5x1.5 hole 0.94: 1(0,0)
  round 1.5 hole 0.94: 2(2.54,0) 3(5.08,0) 4(7.62,0) 5(10.16,0) 6(12.7,0)
  silkscreen extent -1.27,-1.27 13.97,1.27
MICRO-USB-B-RECEPTABLE [mm] "10118194-0001LF"
  rect 0.4x1.5 smd: 1(-1.3,1.2) 2(-0.65,1.2) 3(0,1.2) 4(0.65,1.2) 5(1.3,1.2)
  oval 1.1x2 hole 0.7 slot 1 at 90 deg: 6(2.225,1.4) 9(-2.225,1.4)
  rect 2.1x1.9 / inner round 1.3 / far side round 1.3 hole 1.2 slot 1.5 at 90 deg copper offset 0.1,0: 7(3.6,-1.4)
  rect 2.1x1.9 / inner round 1.3 / far side round 1.3 hole 1.2 slot 1.5 at 90 deg copper offset -0.1,0: 8(-3.6,-1.4)
  rect 1.8x1.8 smd: ""(-1.15,-1.4) ""(1.15,-1.4)
  silkscreen extent -4.53,-2.86 4.59,2.69, body extent -4.4,-4.29 4.25,1.61, height 2.85
"PIN HEADER 1X2 PIN IN PASTE" [mm] "Pin header 1x2 Pin in Paste"
  rect 0.8x1 hole 0.6: 1(0,0)
  oval 0.8x1 hole 0.6: 2(1.27,0)
  silkscreen extent -0.76,-0.89 2.03,0.89
QFN32_5X5MM_EP3P3MM [mil] "QFN32_5X5MM_EP3P3MM"
  oval 10x33 smd mask+2: 1(-68.95,-99) 8(68.95,-99) 17(68.95,99) 24(-68.95,99)
  rect 10x33 smd mask+2: 2(-49.25,-99) 3(-29.55,-99) 4(-9.85,-99) 5(9.85,-99) 6(29.55,-99) 7(49.25,-99) 18(49.25,99) 19(29.55,99) 20(9.85,99) 21(-9.85,99) 22(-29.55,99) 23(-49.25,99)
  oval 33x10 smd mask+2: 9(99,-68.95) 16(99,68.95) 25(-99,68.95) 32(-99,-68.95)
  rect 33x10 smd mask+2: 10(99,-49.25) 11(99,-29.55) 12(99,-9.85) 13(99,9.85) 14(99,29.55) 15(99,49.25) 26(-99,49.25) 27(-99,29.55) 28(-99,9.85) 29(-99,-9.85) 30(-99,-29.55) 31(-99,-49.25)
  rect 129.92x129.92 smd mask+2: 33(0,0)
  silkscreen extent -113,-137 101,101
SMA [mm] "SMA card edge mount 1.6mm substrate"
  rect 3.6x1.8 smd: 1(0,0)
  rect 4.2x1.35 hole 0.8 paste-0.3: 2(-0.3,-2.825)
  rect 4.2x1.35 hole 0.8 paste-0.3 mask+0: 2.1(-0.3,2.825)
  silkscreen extent -2,-3.95 3.15,3.92, body extent -12.17,-3.18 1.16,3.18, height 3.71
SO8 [mm] "SOIC, 8-Leads, Body 4.9x3.9mm, Pitch 1.27mm, IPC Low Density"
  rect 1.5x0.65 smd: 1(0,0) 2(0,-1.27) 3(0,-2.54) 4(0,-3.81) 5(5.5,-3.81) 6(5.5,-2.54) 7(5.5,-1.27) 8(5.5,0)
  silkscreen extent 0.08,-4.48 3.89,1.01, body extent -0.31,-4.4 5.89,0.6, height 1.75
"so8exposed pad" [mm]
  rect 0.8x2.2 smd: 1(-1.905,-2.87) 2(-0.635,-2.87) 3(0.635,-2.87) 4(1.905,-2.87) 5(1.905,2.87) 6(0.635,2.87) 7(-0.635,2.87) 8(-1.905,2.87)
  rect 3.81x2.7 smd: 9(0,0)
  silkscreen extent -2.67,-3.48 -2.67,-2.62
SOT23-5 [mm]
  rect 0.7x1.1 smd: 1(-0.95,-1.3) 2(0,-1.3) 3(0.95,-1.3) 4(0.95,1.3) 5(-0.95,1.3)
  silkscreen extent -1.52,-2.13 1.63,2.08, body extent -1.48,-1.6 1.52,1.6, height 0.92
sot23-6 [mm]
  rect 0.85x0.35 smd: 1(-0.925,0.65) 2(-0.925,0) 3(-0.925,-0.65) 4(0.925,-0.65) 5(0.925,0) 6(0.925,0.65)
  silkscreen extent -1.6,-1.35 1.6,1.35, body extent -1.05,-1 1.05,1, height 0.95
"SOT23-6 - duplicate" [mm] "SOT23, 6-Leads, Body 2.9x1.6mm, Pitch 0.95mm, Lead Span 2.7mm, IPC High Density"
  rect 1.2x0.6 smd: 1(-1.2,0.95) 2(-1.2,0) 3(-1.2,-0.95) 4(1.2,-0.95) 5(1.2,0) 6(1.2,0.95)
  silkscreen extent -1.33,-1.55 0.3,1.95, body extent -1.42,-1.46 1.42,1.46, height 1.25
SOT143 [mm]
  rect 1.2x1 smd: 1(-0.75,-0.9)
  rect 0.9x1 smd: 2(0.95,-0.9) 3(0.95,0.9) 4(-0.95,0.9)
  silkscreen extent -1.88,-1.91 1.83,1.65
"Testpad 29 mil" [mil] "Testpad 29 mil"
  round 29 smd paste-25: 1(0,0)
uDFN-6 [mm] "uDFN-6"
  rect 1.7x0.95 smd mask+0.051: 0(0,-0.001)
  rect 0.4x0.47 smd mask+0.051: 1(-0.65,-0.915) 2(0,-0.915) 3(0.65,-0.915) 4(0.65,0.915) 5(0,0.915) 6(-0.65,0.915)
  body extent -1,-1.02 1,0.99, height 0.75

## Part data
B1 B1A: "2.45 GHz Balun / Filter Combination"
C1 C1A C9 C11 C13 C13A C14 C14A C15 C15A C16 C16A C17 C17A C110: library part A01-0246, "Ceramic capacitor, SMD 0402, X7R, 16V, +/-10%"
C001: "Polarized Capacitor (Radial)"
C01 C002 C49 C50 C51 C52 C53 C54 C55 C56 C57 C58 C59 C60 C61 C62 C63 C64 C65 C66 C67 C68: library part CAP-NONPOL, "Ceramic capacitor, SMD 0402, X5R, 6.3V, +/-20% (de33687)"
C2 C02A C12 C12A: library part A01-0682, "CAP CER 1.8PF 25V NP0 0201"
C3 C3A: library part A01-0683, "CAP CER 0.8PF 25V NP0 0201"
C4 C4A C21 C21A: library part A01-0612, "Ceramic Capacitor, SMD 0201, 25V, NP0, 1.2pF"
C5 C5A: library part A01-0681, "CAP CER 8.2PF 25V NP0 0201"
C7 C7A C22 C22A: library part A01-0472, "CAP CER 2.2PF 6.3V NP0 0201"
C8 C08A: library part A01-0611, "CAP CER 15PF 25V NP0 0201"
C10 C10A: library part A01-0581, "CAP CER 10PF 25V ±.25pf ( and ±.30ppm/ degree C of temp variation) NP0 0201"
C18 C18A C19 C19A C20 C20A: library part A01-0286, "Ceramic capacitor, SMD 0402, X5R, 6.3V, +/-10% (de26942)"
C23 C230: library part A01-0276, "Ceramic capacitor, SMD 1206, X5R, 6.3V, ±10%"
C24 C24A C024A: library part A01-0351, "Ceramic capacitor, SMD 0402, NP0, 50V, +/-0.25pF (de23847)"
C25 C25A: library part A01-0577, "Ceramic capacitor, SMD 0201, X7R, 10V, +/-10%"
C26 C27 C31 C32: library part CAP-NONPOL_1, "Ceramic capacitor, SMD 1206, X5R, 6.3V, ±10%"
C28 C33: library part CAP-NONPOL_1
C29 C30 C34 C35 C41 C42 C43 C44 C45 C46 C47 C48: library part CAP-NONPOL_2
C69 C70 C71 C72 C73 C74 C75 C76 C77 C78 C79 C80 C81 C82: library part CAP-NONPOL
C85 C86 C87 C88 C89 C90 C91 C92 C93 C94 C95 C96 C97: library part CAP-NONPOL_3, "Ceramic capacitor, SMD 0201, X7R, 10V, +/-10%"
D1 D1A: library part A10-0018, "LED, Green, Wave length=575nm, SMD 0805, ±70°"
D001 DA DB DC DD: "Schottky Diode"
D2 D2A: library part A10-0019, "LED, Yellow, Wave length=591nm, SMD 0805, ±70°"
D2A1: "Typical INFRARED GaAs LED"
IC2 IC2A: "IC EEPROM 2KBIT 1MHz, 1.7V to 5.5V, SOT23-5"
IC7 IC7A: "Sub-1GHz/2.4GHz Transceiver"
IC8: "1:2 FANOUT BUFFER IC"
J1 J10 J104 J104A J105 J105A JP: library part A08-1754, "1x2 pin header, 2.54mm pitch, Pin-in-Paste THM"
JP1: "Header, 3-Pin"
L1 L1A: library part A03-0131, "Sub-1GHz Balun"
L2 L20: library part A03-0072, "SMD-Ferrite 220Ohm, 100MHz 0603 size, (de14411)"
L3 L3A: library part A03-0150
L4 L5 L7 L8: library part INDUCTOR
P1A: library part A08-0838, "UFL (Small Coax Connector)"
P4: library part "Header 2", "Header, 2-Pin"
P-ADC: "Header, 10-Pin, Dual row, Right Angle"
Pio: library part "Header 20", "Header, 20-Pin"
Q1 Q10: library part A05-0051, "Dual N-Channel MOSFET, 60V, 115mA cont,RDS(ON) < 7.5 Ohm @50mA@5V, SOT-363"
R1 R1A R5 R5A: library part A02-0284, "Thick film resistor, SMD 0402, 1/16W, 1%"
R001 R002 R018 R019 R032: "Thick film resistor, SMD 0402, 1/16W, 1%"
R2 R2A R3 R3A: library part A02-0200, "Thick film resistor, SMD 0402, 1/16W, 1%"
R4 R4A R9 R9A: library part A02-0553, "Thick film resistor, SMD 0201, 1/20W, 5%"
R7 R7A: library part A02-0677, "RES 100K OHM 1/20W 5% 0201 SMD"
R10 R10A R11 R11A R13 R13A: library part A02-0541, "Thick film resistor, SMD 0201, 1/20W, 5%"
R12 R12A: library part A02-0196, "Thick film resistor, SMD 0402, 1/16W, 1%"
R14 R015 R16 R17 R18 R19 R23 R24 R25 R26 R27: library part R2_1, "Thick film resistor, SMD 0201, 1/20W, 5%"
R15B R40 R41 R42 R43 R44 R45 R46 R47 R48 R49 R50 R51 R53 R54 R55 R56 R57 R58 R60 R61 R62 R63 R64 R65 R72 R73 R74 R75 R76 R77 R78 R79: "Resistor"
R66 R67 R68 R69 R70 R71: library part Res1, "Resistor"
R101 R101A R102 R102A: library part A02-0236, "Thick film resistor, SMD 0402, 1/16W, 1%"
R144 R145 R146 R147: library part R2, "Thick film resistor, SMD 0402, 1/16W, 1%"
SMA1 SMA2 SMA3 SMA4: library part A08-1047, "End Launch Jack Receptacle, Round Contact (de21535)"
TP1 TP1A TP2 TP2A TP10 TP10A TP11 TP11A TP12 TP12A TP13 TP13A: library part A08-0892, "Single SMD testpad"
TP8 TP9: library part A08-1716, "THM Test Point, Without Base, 1.0mm Dia. Mounting"
U5: library part RT8288AZSP, "IC REG BUCK ADJ 4A SYNC 8SOP"
U06: library part SC189SKTRT, "IC REG BUCK 1.8V 1.5A SYNC SOT23"
U6: "Artix-7 FPGA, 210 User I/Os, 0 GTP, 324-Ball BGA, Speed Grade 2, Industrial Grade, Pb-Free"
U8: library part XC2C32A-6QFG32C, "IC CPLD 32MC 5.5NS 32QFN"
U9: library part S25FL127SABMFI101, "IC FLASH 128MBIT 108MHZ 8SOIC"
U10: "EZ-USB FX2LP USB Microcontroller Ideal for Battery Powered Applications,16K RAM, 40 I/Os, 100-Pin TQFP, Pb-Free, Commercial Grade"
U11: library part "UP SUPERVISORY"
U12: library part 24LC128SN
W1 W2: "Jumper Wire"
XC1: library part A07-0087, "26MHz TCXO, 2.8 ~ 3.3V, Clipped sine wave 10KOhm/10pF, 3.2 x 2.5 mm SMD"
XC2: library part "ACT33T-4 TCXO"
XL1: library part "ACT33T-4 TCXO_1", "26MHz TCXO, 2.8 ~ 3.3V, Clipped sine wave 10KOhm/10pF, 3.2 x 2.5 mm SMD"

## Free pads (board coordinates)
  round 137.8 hole 78.74: 0(3814,96.67) 1(3830.12,2512) 2(1677,2519.69) 3(108.06,2506) 4(107,100.69)

## Via types
v1: diameter 20, hole 10, Top Layer LF-signals to Bottom Layer LF-signals, 660 vias
v2: diameter 14, hole 6, Top Layer LF-signals to Bottom Layer LF-signals, 470 vias
v3: diameter 40, hole 20, Top Layer LF-signals to Bottom Layer LF-signals, 46 vias
v4: diameter 12, hole 6, Top Layer LF-signals to Bottom Layer LF-signals, 1 vias